# Altium PCB Terra.PcbDoc (part 2 of 7)
Units mm, origin at the board's own origin, x right, y up, seen from the top; angles counter-clockwise.
Board outline 126 x 65 mm, 6 copper layers (Top Layer, Int1 (Sign), Int2 (GND), Int3(PWR), Int4(Sign), Bottom Layer), stack 2.348 mm thick; 559 components, 490 nets, 2466 pads, 1027 vias.
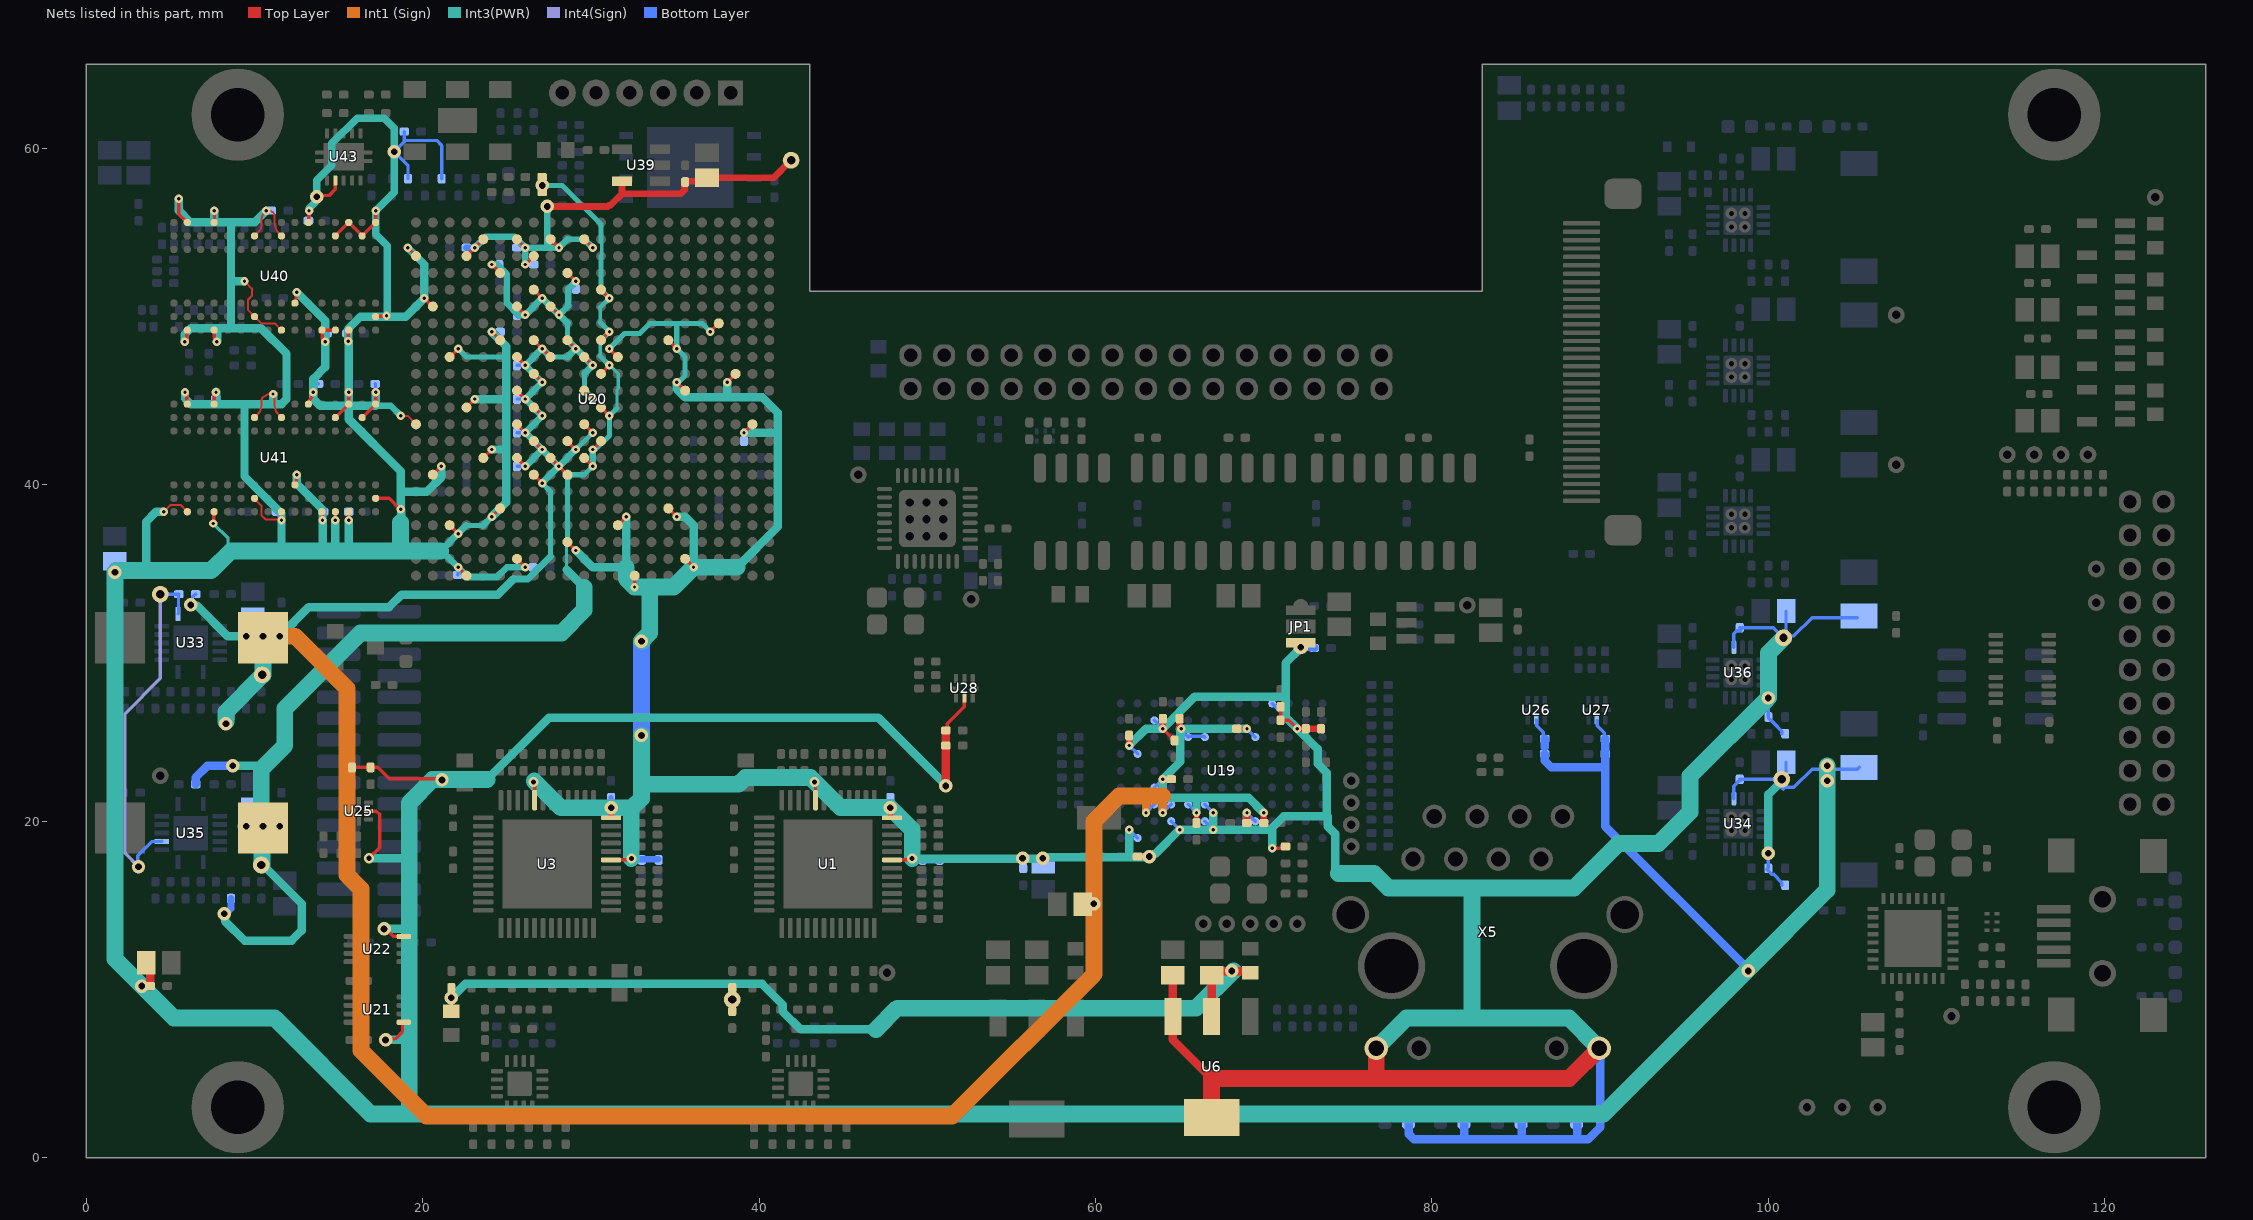
[diagram p6: the nets of this part, all layers, seen from the top]

## Footprints (in the part's own frame and the unit in brackets; to place one, negate y for a bottom-side part, rotate by r counter-clockwise, add the part's x,y. Pads: shape width x height; smd on the part's side, far side on the other; paste and mask are expansions set on the pad) (continued)
FBG484 [mm] "BGA, 484-Balls, Body 23x23mm, Pitch 1.0mm"
  round 0.6 smd: A1(-10.5,10.5) A2(-9.5,10.5) A3(-8.5,10.5) A4(-7.5,10.5) A5(-6.5,10.5) A6(-5.5,10.5) A7(-4.5,10.5) A8(-3.5,10.5) A9(-2.5,10.5) A10(-1.5,10.5) A11(-0.5,10.5) A12(0.5,10.5) A13(1.5,10.5) A14(2.5,10.5) A15(3.5,10.5) A16(4.5,10.5) A17(5.5,10.5) A18(6.5,10.5) A19(7.5,10.5) A20(8.5,10.5) A21(9.5,10.5) A22(10.5,10.5) AA1(-10.5,-9.5) AA2(-9.5,-9.5) AA3(-8.5,-9.5) AA4(-7.5,-9.5) AA5(-6.5,-9.5) AA6(-5.5,-9.5) AA7(-4.5,-9.5) AA8(-3.5,-9.5) AA9(-2.5,-9.5) AA10(-1.5,-9.5) AA11(-0.5,-9.5) AA12(0.5,-9.5) AA13(1.5,-9.5) AA14(2.5,-9.5) AA15(3.5,-9.5) AA16(4.5,-9.5) AA17(5.5,-9.5) AA18(6.5,-9.5) AA19(7.5,-9.5) AA20(8.5,-9.5) AA21(9.5,-9.5) AA22(10.5,-9.5) AB1(-10.5,-10.5) AB2(-9.5,-10.5) AB3(-8.5,-10.5) AB4(-7.5,-10.5) AB5(-6.5,-10.5) AB6(-5.5,-10.5) AB7(-4.5,-10.5) AB8(-3.5,-10.5) AB9(-2.5,-10.5) AB10(-1.5,-10.5) AB11(-0.5,-10.5) AB12(0.5,-10.5) AB13(1.5,-10.5) AB14(2.5,-10.5) AB15(3.5,-10.5) AB16(4.5,-10.5) AB17(5.5,-10.5) AB18(6.5,-10.5) AB19(7.5,-10.5) AB20(8.5,-10.5) AB21(9.5,-10.5) AB22(10.5,-10.5) B1(-10.5,9.5) B2(-9.5,9.5) B3(-8.5,9.5) B4(-7.5,9.5) B5(-6.5,9.5) B6(-5.5,9.5) B7(-4.5,9.5) B8(-3.5,9.5) B9(-2.5,9.5) B10(-1.5,9.5) B11(-0.5,9.5) B12(0.5,9.5) B13(1.5,9.5) B14(2.5,9.5) B15(3.5,9.5) B16(4.5,9.5) B17(5.5,9.5) B18(6.5,9.5) B19(7.5,9.5) B20(8.5,9.5) B21(9.5,9.5) B22(10.5,9.5) C1(-10.5,8.5) C2(-9.5,8.5) C3(-8.5,8.5) C4(-7.5,8.5) C5(-6.5,8.5) C6(-5.5,8.5) C7(-4.5,8.5) C8(-3.5,8.5) C9(-2.5,8.5) C10(-1.5,8.5) C11(-0.5,8.5) C12(0.5,8.5) C13(1.5,8.5) C14(2.5,8.5) C15(3.5,8.5) C16(4.5,8.5) C17(5.5,8.5) C18(6.5,8.5) C19(7.5,8.5) C20(8.5,8.5) C21(9.5,8.5) C22(10.5,8.5) D1(-10.5,7.5) D2(-9.5,7.5) D3(-8.5,7.5) D4(-7.5,7.5) D5(-6.5,7.5) D6(-5.5,7.5) D7(-4.5,7.5) D8(-3.5,7.5) D9(-2.5,7.5) D10(-1.5,7.5) D11(-0.5,7.5) D12(0.5,7.5) D13(1.5,7.5) D14(2.5,7.5) D15(3.5,7.5) D16(4.5,7.5) D17(5.5,7.5) D18(6.5,7.5) D19(7.5,7.5) D20(8.5,7.5) D21(9.5,7.5) D22(10.5,7.5) E1(-10.5,6.5) E2(-9.5,6.5) E3(-8.5,6.5) E4(-7.5,6.5) E5(-6.5,6.5) E6(-5.5,6.5) E7(-4.5,6.5) E8(-3.5,6.5) E9(-2.5,6.5) E10(-1.5,6.5) E11(-0.5,6.5) E12(0.5,6.5) E13(1.5,6.5) E14(2.5,6.5) E15(3.5,6.5) E16(4.5,6.5) E17(5.5,6.5) E18(6.5,6.5) E19(7.5,6.5) E20(8.5,6.5) E21(9.5,6.5) E22(10.5,6.5) F1(-10.5,5.5) F2(-9.5,5.5) F3(-8.5,5.5) F4(-7.5,5.5) F5(-6.5,5.5) F6(-5.5,5.5) F7(-4.5,5.5) F8(-3.5,5.5) F9(-2.5,5.5) F10(-1.5,5.5) F11(-0.5,5.5) F12(0.5,5.5) F13(1.5,5.5) F14(2.5,5.5) F15(3.5,5.5) F16(4.5,5.5) F17(5.5,5.5) F18(6.5,5.5) F19(7.5,5.5) F20(8.5,5.5) F21(9.5,5.5) F22(10.5,5.5) G1(-10.5,4.5) G2(-9.5,4.5) G3(-8.5,4.5) G4(-7.5,4.5) G5(-6.5,4.5) G6(-5.5,4.5) G7(-4.5,4.5) G8(-3.5,4.5) G9(-2.5,4.5) G10(-1.5,4.5) G11(-0.5,4.5) G12(0.5,4.5) G13(1.5,4.5) G14(2.5,4.5) G15(3.5,4.5) G16(4.5,4.5) G17(5.5,4.5) G18(6.5,4.5) G19(7.5,4.5) G20(8.5,4.5) G21(9.5,4.5) G22(10.5,4.5) H1(-10.5,3.5) H2(-9.5,3.5) H3(-8.5,3.5) H4(-7.5,3.5) H5(-6.5,3.5) H6(-5.5,3.5) H7(-4.5,3.5) H8(-3.5,3.5) H9(-2.5,3.5) H10(-1.5,3.5) H11(-0.5,3.5) H12(0.5,3.5) H13(1.5,3.5) H14(2.5,3.5) H15(3.5,3.5) H16(4.5,3.5) H17(5.5,3.5) H18(6.5,3.5) H19(7.5,3.5) H20(8.5,3.5) H21(9.5,3.5) H22(10.5,3.5) J1(-10.5,2.5) J2(-9.5,2.5) J3(-8.5,2.5) J4(-7.5,2.5) J5(-6.5,2.5) J6(-5.5,2.5) J7(-4.5,2.5) J8(-3.5,2.5) J9(-2.5,2.5) J10(-1.5,2.5) J11(-0.5,2.5) J12(0.5,2.5) J13(1.5,2.5) J14(2.5,2.5) J15(3.5,2.5) J16(4.5,2.5) J17(5.5,2.5) J18(6.5,2.5) J19(7.5,2.5) J20(8.5,2.5) J21(9.5,2.5) J22(10.5,2.5) K1(-10.5,1.5) K2(-9.5,1.5) K3(-8.5,1.5) K4(-7.5,1.5) K5(-6.5,1.5) K6(-5.5,1.5) K7(-4.5,1.5) K8(-3.5,1.5) K9(-2.5,1.5) K10(-1.5,1.5) K11(-0.5,1.5) K12(0.5,1.5) K13(1.5,1.5) K14(2.5,1.5) K15(3.5,1.5) K16(4.5,1.5) K17(5.5,1.5) K18(6.5,1.5) K19(7.5,1.5) K20(8.5,1.5) K21(9.5,1.5) K22(10.5,1.5) L1(-10.5,0.5) L2(-9.5,0.5) L3(-8.5,0.5) L4(-7.5,0.5) L5(-6.5,0.5) L6(-5.5,0.5) L7(-4.5,0.5) L8(-3.5,0.5) L9(-2.5,0.5) L10(-1.5,0.5) L11(-0.5,0.5) L12(0.5,0.5) L13(1.5,0.5) L14(2.5,0.5) L15(3.5,0.5) L16(4.5,0.5) L17(5.5,0.5) L18(6.5,0.5) L19(7.5,0.5) L20(8.5,0.5) L21(9.5,0.5) L22(10.5,0.5) M1(-10.5,-0.5) M2(-9.5,-0.5) M3(-8.5,-0.5) M4(-7.5,-0.5) M5(-6.5,-0.5) M6(-5.5,-0.5) M7(-4.5,-0.5) M8(-3.5,-0.5) M9(-2.5,-0.5) M10(-1.5,-0.5) M11(-0.5,-0.5) M12(0.5,-0.5) M13(1.5,-0.5) M14(2.5,-0.5) M15(3.5,-0.5) M16(4.5,-0.5) M17(5.5,-0.5) M18(6.5,-0.5) M19(7.5,-0.5) M20(8.5,-0.5) M21(9.5,-0.5) M22(10.5,-0.5) N1(-10.5,-1.5) N2(-9.5,-1.5) N3(-8.5,-1.5) N4(-7.5,-1.5) N5(-6.5,-1.5) N6(-5.5,-1.5) N7(-4.5,-1.5) N8(-3.5,-1.5) N9(-2.5,-1.5) N10(-1.5,-1.5) N11(-0.5,-1.5) N12(0.5,-1.5) N13(1.5,-1.5) N14(2.5,-1.5) N15(3.5,-1.5) N16(4.5,-1.5) N17(5.5,-1.5) N18(6.5,-1.5) N19(7.5,-1.5) N20(8.5,-1.5) N21(9.5,-1.5) N22(10.5,-1.5) P1(-10.5,-2.5) P2(-9.5,-2.5) P3(-8.5,-2.5) P4(-7.5,-2.5) P5(-6.5,-2.5) P6(-5.5,-2.5) P7(-4.5,-2.5) P8(-3.5,-2.5) P9(-2.5,-2.5) P10(-1.5,-2.5) P11(-0.5,-2.5) P12(0.5,-2.5) P13(1.5,-2.5) P14(2.5,-2.5) P15(3.5,-2.5) P16(4.5,-2.5) P17(5.5,-2.5) P18(6.5,-2.5) P19(7.5,-2.5) P20(8.5,-2.5) P21(9.5,-2.5) P22(10.5,-2.5) R1(-10.5,-3.5) R2(-9.5,-3.5) R3(-8.5,-3.5) R4(-7.5,-3.5) R5(-6.5,-3.5) R6(-5.5,-3.5) R7(-4.5,-3.5) R8(-3.5,-3.5) R9(-2.5,-3.5) R10(-1.5,-3.5) R11(-0.5,-3.5) R12(0.5,-3.5) R13(1.5,-3.5) R14(2.5,-3.5) R15(3.5,-3.5) R16(4.5,-3.5) R17(5.5,-3.5) R18(6.5,-3.5) R19(7.5,-3.5) R20(8.5,-3.5) R21(9.5,-3.5) R22(10.5,-3.5) T1(-10.5,-4.5) T2(-9.5,-4.5) T3(-8.5,-4.5) T4(-7.5,-4.5) T5(-6.5,-4.5) T6(-5.5,-4.5) T7(-4.5,-4.5) T8(-3.5,-4.5) T9(-2.5,-4.5) T10(-1.5,-4.5) T11(-0.5,-4.5) T12(0.5,-4.5) T13(1.5,-4.5) T14(2.5,-4.5) T15(3.5,-4.5) T16(4.5,-4.5) T17(5.5,-4.5) T18(6.5,-4.5) T19(7.5,-4.5) T20(8.5,-4.5) T21(9.5,-4.5) T22(10.5,-4.5) U1(-10.5,-5.5) U2(-9.5,-5.5) U3(-8.5,-5.5) U4(-7.5,-5.5) U5(-6.5,-5.5) U6(-5.5,-5.5) U7(-4.5,-5.5) U8(-3.5,-5.5) U9(-2.5,-5.5) U10(-1.5,-5.5) U11(-0.5,-5.5) U12(0.5,-5.5) U13(1.5,-5.5) U14(2.5,-5.5) U15(3.5,-5.5) U16(4.5,-5.5) U17(5.5,-5.5) U18(6.5,-5.5) U19(7.5,-5.5) U20(8.5,-5.5) U21(9.5,-5.5) U22(10.5,-5.5) V1(-10.5,-6.5) V2(-9.5,-6.5) V3(-8.5,-6.5) V4(-7.5,-6.5) V5(-6.5,-6.5) V6(-5.5,-6.5) V7(-4.5,-6.5) V8(-3.5,-6.5) V9(-2.5,-6.5) V10(-1.5,-6.5) V11(-0.5,-6.5) V12(0.5,-6.5) V13(1.5,-6.5) V14(2.5,-6.5) V15(3.5,-6.5) V16(4.5,-6.5) V17(5.5,-6.5) V18(6.5,-6.5) V19(7.5,-6.5) V20(8.5,-6.5) V21(9.5,-6.5) V22(10.5,-6.5) W1(-10.5,-7.5) W2(-9.5,-7.5) W3(-8.5,-7.5) W4(-7.5,-7.5) W5(-6.5,-7.5) W6(-5.5,-7.5) W7(-4.5,-7.5) W8(-3.5,-7.5) W9(-2.5,-7.5) W10(-1.5,-7.5) W11(-0.5,-7.5) W12(0.5,-7.5) W13(1.5,-7.5) W14(2.5,-7.5) W15(3.5,-7.5) W16(4.5,-7.5) W17(5.5,-7.5) W18(6.5,-7.5) W19(7.5,-7.5) W20(8.5,-7.5) W21(9.5,-7.5) W22(10.5,-7.5) Y1(-10.5,-8.5) Y2(-9.5,-8.5) Y3(-8.5,-8.5) Y4(-7.5,-8.5) Y5(-6.5,-8.5) Y6(-5.5,-8.5) Y7(-4.5,-8.5) Y8(-3.5,-8.5) Y9(-2.5,-8.5) Y10(-1.5,-8.5) Y11(-0.5,-8.5) Y12(0.5,-8.5) Y13(1.5,-8.5) Y14(2.5,-8.5) Y15(3.5,-8.5) Y16(4.5,-8.5) Y17(5.5,-8.5) Y18(6.5,-8.5) Y19(7.5,-8.5) Y20(8.5,-8.5) Y21(9.5,-8.5) Y22(10.5,-8.5)
  silkscreen extent -11.5,-11.5 11.5,12.32, body extent -11.5,-11.5 11.5,11.5, height 2.54
FBGA96_9X14_MRN [mm]
  rrect80% 0.42x0.42 smd paste+0 mask+0: A1(-3.2,6) A2(-2.4,6) A3(-1.6,6) A7(1.6,6) A8(2.4,6) A9(3.2,6) B1(-3.2,5.2) B2(-2.4,5.2) B3(-1.6,5.2) B7(1.6,5.2) B8(2.4,5.2) B9(3.2,5.2) C1(-3.2,4.4) C2(-2.4,4.4) C3(-1.6,4.4) C7(1.6,4.4) C8(2.4,4.4) C9(3.2,4.4) D1(-3.2,3.6) D2(-2.4,3.6) D3(-1.6,3.6) D7(1.6,3.6) D8(2.4,3.6) D9(3.2,3.6) E1(-3.2,2.8) E2(-2.4,2.8) E3(-1.6,2.8) E7(1.6,2.8) E8(2.4,2.8) E9(3.2,2.8) F1(-3.2,2) F2(-2.4,2) F3(-1.6,2) F7(1.6,2) F8(2.4,2) F9(3.2,2) G1(-3.2,1.2) G2(-2.4,1.2) G3(-1.6,1.2) G7(1.6,1.2) G8(2.4,1.2) G9(3.2,1.2) H1(-3.2,0.4) H2(-2.4,0.4) H3(-1.6,0.4) H7(1.6,0.4) H8(2.4,0.4) H9(3.2,0.4) J1(-3.2,-0.4) J2(-2.4,-0.4) J3(-1.6,-0.4) J7(1.6,-0.4) J8(2.4,-0.4) J9(3.2,-0.4) K1(-3.2,-1.2) K2(-2.4,-1.2) K3(-1.6,-1.2) K7(1.6,-1.2) K8(2.4,-1.2) K9(3.2,-1.2) L1(-3.2,-2) L2(-2.4,-2) L3(-1.6,-2) L7(1.6,-2) L8(2.4,-2) L9(3.2,-2) M1(-3.2,-2.8) M2(-2.4,-2.8) M3(-1.6,-2.8) M7(1.6,-2.8) M8(2.4,-2.8) M9(3.2,-2.8) N1(-3.2,-3.6) N2(-2.4,-3.6) N3(-1.6,-3.6) N7(1.6,-3.6) N8(2.4,-3.6) N9(3.2,-3.6) P1(-3.2,-4.4) P2(-2.4,-4.4) P3(-1.6,-4.4) P7(1.6,-4.4) P8(2.4,-4.4) P9(3.2,-4.4) R1(-3.2,-5.2) R2(-2.4,-5.2) R3(-1.6,-5.2) R7(1.6,-5.2) R8(2.4,-5.2) R9(3.2,-5.2) T1(-3.2,-6) T2(-2.4,-6) T3(-1.6,-6) T7(1.6,-6) T8(2.4,-6) T9(3.2,-6)
  silkscreen extent -4.25,-6.76 4.25,6.76, body extent -4,-6.5 4,6.5, height 0.99
HEADER-1X6S [mm] "PLD2-10  Штыревой соединитель 1х5 шаг 2мм однорядный прямой"
  rect 1.501x1.501 hole 0.8 mask+0.1: 1(0,0)
  round 1.601 hole 0.8 mask+0.1: 2(2,0) 3(4,0) 4(6,0) 5(8,0) 6(10,0)
  silkscreen extent -1.4,-1.43 11.4,1.38, body extent -1.26,-1.29 11.27,1.25, height 6.5
INDPM101101X680N [mm]
  rect 2.95x3.05 smd: 1(-4.25,0) 2(4.25,0)
  silkscreen extent -5.05,-5.05 5.05,5.05, body extent -5.05,-5.05 5.05,5.05, height 6.8
JUMP-3 [mm]
  round 0.9 smd paste+0: 1(-1.2,0) 3(1.2,0)
  rect 0.559x1.778 smd mask+0.1: 1(-0.975,0) 3(0.975,0)
  rect 0.813x1.778 smd mask+0.1: 2(0,0)
  silkscreen extent -1.45,-1.14 1.45,1.14
KLS12-TL051 [mm] "10/100 ETH разъём с двумя светодиодами"
  round 2.2 hole 1.7 mask+0.1: 0(-8.15,-5.84) 0(8.15,-5.84)
  round 4 hole 3.2 mask+0.1: 0(-5.715,-8.89) 0(5.715,-8.89)
  round 1.4 hole 0.9 mask+0.1: 1(-4.445,-2.54) 2(-3.175,0) 3(-1.905,-2.54) 4(-0.635,0) 5(0.635,-2.54) 6(1.905,0) 7(3.175,-2.54) 8(4.445,0) 9(-6.63,-13.79) 10(-4.09,-13.79) 11(4.09,-13.79) 12(6.63,-13.79)
  silkscreen extent -7.9,-18.5 7.9,1.9, body extent -9.88,-20.2 9.87,1.7, height 15.8
KP-1608_16X08X11_L [mm] "SODFL, 2-Leads, Body 0,80x1,20mm, IPC High Density"
  rrect50% 0.78x0.78 smd: 1(-0.7,0) 2(0.7,0)
  silkscreen extent -0.25,-0.4 0.25,0.4, body extent -0.8,-0.4 0.8,0.4, height 1.1
KX-5T [mm]
  rrect50% 1.2x1.2 smd mask+0.102: 1(-1.1,-0.8) 2(1.1,-0.8) 3(1.1,0.8) 4(-1.1,0.8)
  silkscreen extent -1.88,-1.6 1.9,1.6, body extent -1.6,-1.2 1.6,1.3, height 1.05
L0402 [mm] "Chip Choke 1.0x0.5mm"
  rrect50% 0.58x0.48 smd: 1(-0.5,0) 2(0.5,0)
  silkscreen extent -0.2,-0.35 0.2,0.35, body extent -0.55,-0.3 0.55,0.3, height 1.3
MARVELL_88E1111-B2-BAB1C000_0 [mm]
  round 0.48 smd paste+0 mask+0: A1(-4,6) A2(-3,6) A3(-2,6) A4(-1,6) A5(0,6) A6(1,6) A7(2,6) A8(3,6) A9(4,6) B1(-4,5) B2(-3,5) B3(-2,5) B4(-1,5) B5(0,5) B6(1,5) B7(2,5) B8(3,5) B9(4,5) C1(-4,4) C2(-3,4) C3(-2,4) C4(-1,4) C5(0,4) C6(1,4) C7(2,4) C8(3,4) C9(4,4) D1(-4,3) D2(-3,3) D3(-2,3) D4(-1,3) D5(0,3) D6(1,3) D7(2,3) D8(3,3) D9(4,3) E1(-4,2) E2(-3,2) E3(-2,2) E4(-1,2) E5(0,2) E6(1,2) E7(2,2) E8(3,2) E9(4,2) F1(-4,1) F2(-3,1) F3(-2,1) F4(-1,1) F5(0,1) F6(1,1) F7(2,1) F8(3,1) F9(4,1) G1(-4,0) G2(-3,0) G3(-2,0) G4(-1,0) G5(0,0) G6(1,0) G7(2,0) G8(3,0) G9(4,0) H1(-4,-1) H2(-3,-1) H3(-2,-1) H4(-1,-1) H5(0,-1) H6(1,-1) H7(2,-1) H8(3,-1) H9(4,-1) J1(-4,-2) J2(-3,-2) J3(-2,-2) J4(-1,-2) J5(0,-2) J6(1,-2) J7(2,-2) J8(3,-2) J9(4,-2) K1(-4,-3) K2(-3,-3) K3(-2,-3) K4(-1,-3) K5(0,-3) K6(1,-3) K7(2,-3) K8(3,-3) K9(4,-3) L1(-4,-4) L2(-3,-4) L3(-2,-4) L4(-1,-4) L5(0,-4) L6(1,-4) L7(2,-4) L8(3,-4) L9(4,-4) M1(-4,-5) M2(-3,-5) M3(-2,-5) M4(-1,-5) M5(0,-5) M6(1,-5) M7(2,-5) M8(3,-5) M9(4,-5) N1(-4,-6) N2(-3,-6) N3(-2,-6) N4(-1,-6) N5(0,-6) N6(1,-6) N7(2,-6) N8(3,-6) N9(4,-6)
  silkscreen extent -5.85,-7.05 5.05,7.05, body extent -5,-7 5,7, height 1.52
QFN32_FT232RQ_FTD-L [mil]
  rect 26x10 smd paste+0 mask+0: 1(-93.5,68.91) 2(-93.5,49.22) 3(-93.5,29.53) 4(-93.5,9.84) 5(-93.5,-9.85) 6(-93.5,-29.54) 7(-93.5,-49.23) 8(-93.5,-68.92) 17(93.5,-68.92) 18(93.5,-49.23) 19(93.5,-29.54) 20(93.5,-9.85) 21(93.5,9.84) 22(93.5,29.53) 23(93.5,49.22) 24(93.5,68.91)
  rect 10x26 smd paste+0 mask+0: 9(-68.91,-93.5) 10(-49.23,-93.5) 11(-29.53,-93.5) 12(-9.85,-93.5) 13(9.85,-93.5) 14(29.53,-93.5) 15(49.23,-93.5) 16(68.91,-93.5) 25(68.91,93.5) 26(49.23,93.5) 27(29.53,93.5) 28(9.85,93.5) 29(-9.85,93.5) 30(-29.53,93.5) 31(-49.23,93.5) 32(-68.91,93.5)
  rect 134x134 smd paste-67 mask+0: 33(0,0)
  silkscreen extent -127,-104 104,104, body extent -98,-98 99,99, height 35
QFN50P300X300X100-17N-D [mm]
  round 0.7 hole 0.3: 0(-0.4,-0.4) 0(-0.4,0.4) 0(0.4,-0.4) 0(0.4,0.4)
  rrect10% 1.75x1.75 smd: 0(0,0)
  rrect50% 0.8x0.3 smd: 1(-1.5,0.75) 2(-1.5,0.25) 3(-1.5,-0.25) 4(-1.5,-0.75) 9(1.5,-0.75) 10(1.5,-0.25) 11(1.5,0.25) 12(1.5,0.75)
  rrect50% 0.3x0.8 smd: 5(-0.75,-1.5) 6(-0.25,-1.5) 7(0.25,-1.5) 8(0.75,-1.5) 13(0.75,1.5) 14(0.25,1.5) 15(-0.25,1.5) 16(-0.75,1.5)
  silkscreen extent -2.02,1.38 -1.78,1.62, body extent -1.5,-1.5 1.5,1.5, height 1
QFN-32 [mm] "12"
  round 0.9 hole 0.5: 0(0.7,2.6) 0(0.7,3.6) 0(0.7,1.6) 0(1.7,1.6) 0(1.7,2.6) 0(1.7,3.6) 0(2.7,3.6) 0(2.7,1.6) 0(2.7,2.6)
  rrect20% 3.399x3.399 smd mask+0.101: 0(1.748,2.548)
  rrect20% 3.399x3.399 smd far side mask+0.101: 0(1.748,2.548)
  rect 0.25x0.9 smd mask+0.1: 1(0,0)
  oval 0.25x0.9 smd mask+0.1: 2(0.5,0) 3(0.999,0) 4(1.499,0) 5(1.998,0) 6(2.498,0) 7(2.997,0) 8(3.497,0) 17(3.497,5.095) 18(2.997,5.095) 19(2.498,5.095) 20(1.998,5.095) 21(1.499,5.095) 22(0.999,5.095) 23(0.5,5.095) 24(0,5.095)
  oval 0.9x0.25 smd paste+0.002 mask+0.1: 9(4.296,0.799) 10(4.296,1.299) 11(4.296,1.798) 12(4.296,2.298) 13(4.296,2.797) 14(4.296,3.297) 15(4.296,3.796) 16(4.296,4.296) 25(-0.799,4.296) 26(-0.799,3.796) 27(-0.799,3.297) 28(-0.799,2.797) 29(-0.799,2.298) 30(-0.799,1.798) 31(-0.799,1.299) 32(-0.799,0.799)
  silkscreen extent -0.9,-0.2 4.35,5.15, body extent -0.76,0.06 4.24,5.07, height 0.73
R0402 [mm] "Chip Resistor 1.0x0.5mm"
  rrect50% 0.58x0.48 smd: 1(-0.5,0) 2(0.5,0)
  silkscreen extent -0.2,-0.35 0.2,0.35, body extent -0.5,-0.25 0.5,0.25, height 0.4
RGY-(S-PVQFN-N14) [mm]
  rect 2.05x2.05 smd: 0(0,0)
  rect 0.85x0.28 smd: 1(-1.725,-0.75) 7(1.725,-0.75) 8(1.725,0.75) 14(-1.725,0.75)
  rect 0.28x0.85 smd: 2(-1,-1.725) 3(-0.5,-1.725) 4(0,-1.725) 5(0.5,-1.725) 6(1,-1.725) 9(1,1.725) 10(0.5,1.725) 11(0,1.725) 12(-0.5,1.725) 13(-1,1.725)
  silkscreen extent -2.51,-1.75 1.75,1.75, body extent -1.75,-1.75 1.75,1.75, height 0.97
SMD_AI-243N33E200.00000X_SIT-L [mil]
  rect 39x53 smd paste+0 mask+0: 1(-72.99,100) 2(-72.99,0) 3(-72.99,-100) 4(72.99,-100) 5(72.99,0) 6(72.99,100)
  rect 58x91 smd paste+0 mask+0: 7(0,0)
  silkscreen extent -106,-145 106,172, body extent 0,0 10,10, height 10
SO8 [mm] "SOIC, 8-Leads, Body 5,0x4,0mm (max), Pitch 1,27mm"
  rrect50% 1.7x0.7 smd: 1(-2.6,1.905) 2(-2.6,0.635) 3(-2.6,-0.635) 4(-2.6,-1.905) 5(2.6,-1.905) 6(2.6,-0.635) 7(2.6,0.635) 8(2.6,1.905)
  silkscreen extent -1,-2.5 1,2.5, body extent -2.82,-2.4 2.98,2.4, height 1.75
SOD523 [mm]
  rect 0.5x0.6 smd: 1(-0.7,0) 2(0.7,0)
  silkscreen extent -1.5,-0.05 -1.4,0.05, body extent -0.8,-0.46 0.8,0.37, height 0.53
SOP50P310X90-8N [mm]
  rrect50% 0.85x0.3 smd: 1(-1.575,0.75) 2(-1.575,0.25) 3(-1.575,-0.25) 4(-1.575,-0.75) 5(1.575,-0.75) 6(1.575,-0.25) 7(1.575,0.25) 8(1.575,0.75)
  silkscreen extent -2,-1 0.8,1.25, body extent -1.55,-1 1.55,1, height 0.77
SOT23_5 [mil]
  rect 22x47.24 smd mask+3.94: 1(-37.5,-47.68) 2(0,-47.68) 3(37.5,-47.68) 4(37.5,41.46) 5(-37.5,41.46)
  silkscreen extent -58,-31 58,25, body extent -57,-50 58,42, height 39
SOT23_123 [mm] "SOT-23; 3 Leads; Body 3.1 x 2.5 mm, inc. leads (LxW max)"
  rect 0.85x1 smd: 1(0,0) 2(1.9,0) 3(0.95,2.4)
  silkscreen extent -0.55,0.45 2.48,1.93, body extent -0.52,-0.06 2.4,2.41, height 1.01
SOT223 [mm]
  rect 2.2x1 smd: 1(-3,2.3) 2(-3,0) 3(-3,-2.3)
  rect 2.2x3.3 smd: 4(3,0)
  silkscreen extent -3.12,-3.35 1.6,3.48, body extent -3.57,-3.35 3.32,3.35, height 1.8
TP_0MM5_1MM0 [mm] "Тестовая точка с отверстием 0.5мм и площадкой 1мм"
  round 1 hole 0.5: 1(0,0)
  silkscreen extent -0.66,-0.66 0.66,0.66
TPD4S012DRYR [mm]
  rect 0.35x0.2 smd: 1(-0.275,0.5)
  rect 0.3x0.2 smd: 2(-0.3,0) 3(-0.3,-0.5) 4(0.3,-0.5) 5(0.3,0) 6(0.3,0.5)
  silkscreen extent -0.89,0.43 -0.76,0.57, body extent -0.5,-0.72 0.5,0.72, height 0.58
TPS51200AQDRCRQ1 [mm]
  rrect50% 0.25x0.6 smd: 0(-0.25,1.4) 0(-0.25,-1.4) 0(0.25,1.4) 0(0.25,-1.4)
  rect 1.65x2.4 smd: 0(0,0)
  rrect50% 0.6x0.24 smd: 1(-1.4,1) 2(-1.4,0.5) 3(-1.4,0) 4(-1.4,-0.5) 5(-1.4,-1) 6(1.4,-1) 7(1.4,-0.5) 8(1.4,0) 9(1.4,0.5) 10(1.4,1)
  silkscreen extent -1.46,1.76 -1.24,1.99, body extent -1.5,-1.5 1.5,1.5, height 1
USBSMALL [mm]
  rect 2x1.6 smd mask+0.102: 0(-3.225,0.45) 0(-3.2,5.925) 0(6.225,0.45) 0(6.25,5.925)
  round 1.6 hole 1: 0(-0.625,2.9) 0(3.775,2.9)
  rect 0.499x2 smd: 1(3.175,0) 2(2.375,0) 3(1.575,0) 4(0.775,0) 5(-0.025,0)
  Top Layer region: 5.461,8.575 -2.286,8.575 -2.286,-0.635 -0.635,-0.635 -0.635,1.397 3.81,1.397 3.81,-0.635 5.461,-0.635
  Top Layer pour cut-out: 5.625,8.875 -2.45,8.875 -2.45,-0.825 5.625,-0.825
  silkscreen extent -2.42,-1.5 5.57,8.84, body extent -3.76,-0.44 6.94,8.76, height 3.95
VPDFN8_8X6_MRN-L [mil]
  rect 32x17 smd paste+0 mask+0: 1(-149.5,75) 2(-149.5,25) 3(-149.5,-25) 4(-149.5,-75) 5(149.5,-75) 6(149.5,-25) 7(149.5,25) 8(149.5,75)
  rect 203x189 smd paste+0 mask+0: 9(0,0)
  silkscreen extent -221,-123 162,123, body extent -158,-118 158,118, height 39
VQFN48L [mm]
  rect 5.3x5.3 smd: 0(0,0)
  rrect50% 0.28x1.2 smd: 1(-2.75,-3.8) 2(-2.25,-3.8) 3(-1.75,-3.8) 4(-1.25,-3.8) 5(-0.75,-3.8) 6(-0.25,-3.8) 7(0.25,-3.8) 8(0.75,-3.8) 9(1.25,-3.8) 10(1.75,-3.8) 11(2.25,-3.8) 12(2.75,-3.8) 25(2.75,3.8) 26(2.25,3.8) 27(1.75,3.8) 28(1.25,3.8) 29(0.75,3.8) 30(0.25,3.8) 31(-0.25,3.8) 32(-0.75,3.8) 33(-1.25,3.8) 34(-1.75,3.8) 35(-2.25,3.8) 36(-2.75,3.8)
  rrect50% 1.2x0.28 smd: 13(3.8,-2.75) 14(3.8,-2.25) 15(3.8,-1.75) 16(3.8,-1.25) 17(3.8,-0.75) 18(3.8,-0.25) 19(3.8,0.25) 20(3.8,0.75) 21(3.8,1.25) 22(3.8,1.75) 23(3.8,2.25) 24(3.8,2.75) 37(-3.8,2.75) 38(-3.8,2.25) 39(-3.8,1.75) 40(-3.8,1.25) 41(-3.8,0.75) 42(-3.8,0.25) 43(-3.8,-0.25) 44(-3.8,-0.75) 45(-3.8,-1.25) 46(-3.8,-1.75) 47(-3.8,-2.25) 48(-3.8,-2.75)
  silkscreen extent -4.27,-4.27 -3.33,-3.33, body extent -4.5,-4.5 4.5,4.5, height 1.5

## Part data
C1 C2 C3 C4 C5 C6 C8 C9 C10 C11 C12 C13 C15 C16 C17 C18 C19 C20 C21 C23 C24 C25 C26 C27 C28 C30 C34 C39 C50 C51 C53 C54 C56 C57 C58 C59 C60 C62 C63 C66 C67 C70 C71 C74 C75 C78 C80 C81 C82 C83 C84 C85 C86 C87 C88 C89 C90 C91 C92 C93 C94 C95 C97 C98 C106 C109 C110 C111 C112 C114 C115 C116 C118 C119 C120 C121 C123 C124 C126 C127 C128 C130 C132 C133 C134 C136 C138 C139 C140 C143 C144 C145 C148 C149 C150 C153 C154 C156 C157 C159 C161 C162 C164 C166 C167 C168 C169: "Конденсатор керамический", Voltage=25V, PackageReference=0402
  C1 C2 C3 C4 C5 C6 C8 C9 C10 C11 C12 C13 C15: ClassName=ADC-1
  C16 C17 C18 C19 C20 C21 C23 C24 C25 C26 C27 C28 C30: ClassName=ADC-2
  C34 C39: ClassName=ADC_POWER
  C50 C51: ClassName=USB-2.0
  C53 C54 C56: ClassName="CAN BUS"
  C57 C58 C59 C60: ClassName=BiSS
  C62 C63 C66 C67 C70 C71 C74 C75 C78 C80 C81: ClassName=CAM_POWER
  C82 C83 C84 C85 C86 C87 C88 C89 C90 C91 C92 C93 C94 C95 C97 C98: ClassName=Ethernet
  C106 C109 C110 C111: ClassName=UART_USB
  C112 C118 C119 C120 C121 C123: ClassName=Power1.0
  C114 C115 C116: ClassName=Power3.3
  C124 C130 C132 C133 C134 C136: ClassName=Power1.8
  C126 C127 C128: ClassName=Power1.5
  C138 C139 C140: ClassName=Power2.5
  C143 C144 C145: ClassName=Power33cam
  C148 C149 C150: ClassName=Power5.0
  C156 C157 C159 C161 C167 C168: ClassName=SystemCLK
  C162 C164 C166: ClassName="Xilinx DDR"
  C169: ClassName="Xilinx PWR"
C7 C14 C22 C29 C32 C33 C37 C38 C42 C43 C44 C45 C46 C47 C52 C55 C61 C65 C69 C73 C77 C100 C101 C152: "Конденсатор керамический"
  C7: ClassName=ADC-1, PackageReference=0402
  C14: ClassName=ADC-1, PackageReference=0603
  C22: ClassName=ADC-2, PackageReference=0402
  C29: ClassName=ADC-2, PackageReference=0603
  C32 C33 C37 C38: ClassName=ADC_POWER, PackageReference=0603
  C42 C43 C44 C45 C46 C47: ClassName=USB-2.0, PackageReference=0603
  C52 C55: ClassName="CAN BUS", PackageReference=0603
  C61 C65 C69 C73 C77: ClassName=CAM_POWER, PackageReference=0603
  C100 C101: ClassName=Ethernet, PackageReference=0402
  C152: PackageReference=0603
C31 C35 C36 C40 C41 C64 C68 C72 C76 C79 C96 C99 C117 C122 C129 C135 C141 C146 C151 C155 C158 C160 C163 C165 C171 C197 C208 C219: "C0805C476M9PAC", Voltage=6.3V, PackageReference=0805
  C31 C35 C36 C40 C41 C96 C99 C158 C160 C163 C165 C171 C197 C208 C219: ClassName="Xilinx PWR"
  C64 C68 C72 C76 C79: ClassName=CAM_POWER
  C117: ClassName=Power3.3
  C122: ClassName=Power1.0
  C129: ClassName=Power1.5
  C135: ClassName=Power1.8
  C141: ClassName=Power2.5
  C146: ClassName=Power33cam
  C151: ClassName=Power5.0
C48 C49 C107 C108: "GRM1535C1H100J", PackageReference=0402
  C48 C49: ClassName=USB-2.0
  C107 C108: ClassName=UART_USB
C102 C103 C104 C170 C172 C173 C174 C175 C176 C177 C178 C179 C180 C181 C182 C183 C184 C185 C186 C187 C188 C189 C190 C191 C192 C193 C194 C195 C196 C198 C199 C200 C201 C202 C203 C204 C205 C206 C207 C209 C210 C211 C212 C213 C214 C215 C216 C217 C218 C220 C221 C222 C223 C224 C225 C226 C227 C228 C229 C230: "Конденсатор керамический", Voltage=10V, ClassName="Xilinx PWR", PackageReference=0402
C105 C113 C125 C131 C137 C142 C147: "GRM21BR61E106KA73L", Voltage=25V, PackageReference=0805
  C105 C125: ClassName=Power1.5
  C113: ClassName=Power3.3
  C137: ClassName=Power2.5
  C142: ClassName=Power33cam
  C147: ClassName=Power5.0
DRL1 DRL2 DRL3 DRL4: "Крепёжное отверстие"
HL1 HL2 HL3 HL4 HL5 HL6 HL7 HL8 HL9 HL10 HL11: "1.6X0.8mm SMD  LED", Package=KP-1608_16x08x11, LxWxH(mm)=1,6x0,8x1,1, PackageReference=0603
  HL1 HL2 HL3 HL4: ClassName=Ethernet
  HL5 HL6 HL7: ClassName=UART_USB
  HL11: ClassName=Xilinx_SYS
JP1: library part SIP3, "Печатная перемычка на плате"
L1 L2 L3 L4 L5 L6 L14 L15: library part BEAD_FERRITE_SM, "Wurth Elektronik EMI FILTERS FERRITE BEAD, 220R@100MHz, 0.35R", PackageReference=0402
  L1 L2: ClassName=ADC-1
  L3 L4: ClassName=ADC-2
  L5: ClassName=Ethernet
  L6: ClassName=UART_USB
  L14: ClassName=SystemCLK
  L15: ClassName="Xilinx PWR"
L7 L9 L11 L12 L13: library part LPS4012, "2.2uH, 3.4A, 0.047R"
  L7: ClassName=Power3.3
  L9: ClassName=Power1.5
  L11: ClassName=Power2.5
  L12: ClassName=Power33cam
  L13: ClassName=Power5.0
L8 L10: library part LPS4012, "3.3uH, 6.4A, 12.5mΩ"
  L8: ClassName=Power1.0
  L10: ClassName=Power1.8
Q1: library part XTAL, "Chengdu Kingbri Frequency Technology Co., Ltd   24MHz", ClassName=USB-2.0, PackageReference="SMD 3.2x2.5мм"
Q2: library part XTAL, "Chengdu Kingbri Frequency Technology Co., Ltd 25MHz", ClassName=Ethernet, PackageReference="SMD 3.2x2.5мм"
Q3: library part XTAL, "Chengdu Kingbri Frequency Technology Co., Ltd  12MHz", ClassName=UART_USB, PackageReference="SMD 3.2x2.5мм"
R1 R2 R3 R4 R5 R6 R7 R8 R9 R10 R11 R12 R13 R14 R15 R16 R17 R18 R19 R20 R21 R22 R23 R24 R25 R26 R27 R28 R29 R30 R31 R32 R33 R34 R35 R36 R37 R38 R39 R40 R41 R42 R43 R44 R45 R46 R47 R48 R49 R50 R51 R52 R53 R54 R55 R56 R57 R58 R59 R60 R61 R62 R63 R64 R65 R66 R67 R68 R69 R70 R71 R72 R73 R74 R75 R76 R77 R78 R79 R80 R81 R82 R83 R84 R85 R86 R87 R88 R89 R90 R91 R92 R93 R94 R95 R96 R97 R98 R99 R100 R101 R102 R103 R104 R105 R106 R107 R108 R109 R110 R111 R112 R113 R114 R115 R116 R117 R118 R119 R120 R121 R122 R123 R124 R125 R126 R127 R128 R129 R130 R131 R132 R133 R134 R135 R136 R137 R138 R139 R140 R141 R142 R143 R144 R145 R146 R147 R148 R149 R150 R151 R152 R153 R154 R155 R156 R157 R158 R159 R160 R161 R162 R163 R164 R165 R166 R167 R168 R169 R170 R171 R172 R173 R174 R175 R176 R177 R178 R179 R180 R181 R182 R183 R184 R185 R186 R187 R188 R189 R190 R191 R192 R193 R194 R195 R196 R197 R198 R199 R200 R201 R202 R203 R204 R205 R206 R207 R208: "Резистор", PackageReference=0402
  R1 R2 R3 R4 R5 R6 R8 R9 R10 R11 R12 R13 R14 R15 R16 R17 R18 R19 R20 R21 R22 R23 R24 R25 R26 R28 R29 R30: ClassName=ADC-1
  R7 R27: ClassName=ADC-1, Precision=1%
  R31 R32 R33 R34 R35 R36 R38 R39 R40 R41 R42 R43 R44 R45 R46 R47 R48 R49 R50 R51 R52 R53 R54 R55 R56 R58 R59 R60: ClassName=ADC-2
  R37 R57: ClassName=ADC-2, Precision=1%
  R61 R62 R63 R64: ClassName=USB-2.0
  R65: ClassName=USB-2.0, Precision=1%
  R66 R67 R68: ClassName="CAN BUS"
  R69 R70 R71 R72: ClassName=BiSS
  R73 R74 R75 R76: ClassName=CAM_POWER
  R77: ClassName=CAM_POWER, Parameter 1=RA
  R78: ClassName=CAM_POWER, Parameter 1=RB
  R79 R80 R81 R82 R83 R84 R98: ClassName=Ethernet, Precision=1%
  R85 R86 R87 R88 R89 R90 R91 R92 R93 R94 R95 R96 R97: ClassName=Ethernet
  R99 R100 R101 R102 R103 R104 R105 R106 R107 R108 R109 R110 R111 R112 R113 R114 R115 R116 R117 R118: ClassName="LEVEL SHIFTER"
  R119 R120 R121 R122 R123 R124: ClassName=UART_USB
  R125 R127: ClassName=Power3.3
  R126 R129: ClassName=Power3.3, Precision=1%
  R128 R131: ClassName=Power1.0
  R130 R134: Precision=1%
  R132 R133 R135 R136: ClassName=Power1.0, Precision=1%
  R137 R139: ClassName=Power1.5
  R138 R141: ClassName=Power1.5, Precision=1%
  R140 R142: ClassName=Power1.8
  R143 R144 R145 R146: ClassName=Power1.8, Precision=1%
  R147 R149: ClassName=Power2.5
  R148 R150: ClassName=Power2.5, Precision=1%
  R151 R152 R155 R156: ClassName=Power33cam
  R153 R157: ClassName=Power33cam, Precision=1%
  R158 R161: ClassName=Power5.0
  R159 R162: ClassName=Power5.0, Precision=1%
  R164 R165 R175 R176 R196: ClassName="Xilinx DDR"
  R166 R167 R168 R169 R170 R171 R172 R173 R177 R178 R179 R180 R181 R182 R183 R184 R185 R188 R190 R191 R192 R194 R195 R197 R200 R201: ClassName="Xilinx DDR", Precision=1%
  R186 R187 R189 R193 R198 R199: ClassName=SystemCLK
  R202 R203 R204 R205 R206 R207 R208: ClassName=Xilinx_SYS